# Altium PCB ESP_12F_CLOCK_MAXTRIX.PcbDoc
Units mm, origin at the board's own origin, x right, y up, seen from the top; angles counter-clockwise.
Board outline 68 x 43 mm, 2 copper layers (Top Layer, Bottom Layer); 16 components, 21 nets, 90 pads, 0 vias.
Unrouted connection lines stored in the file: 42.
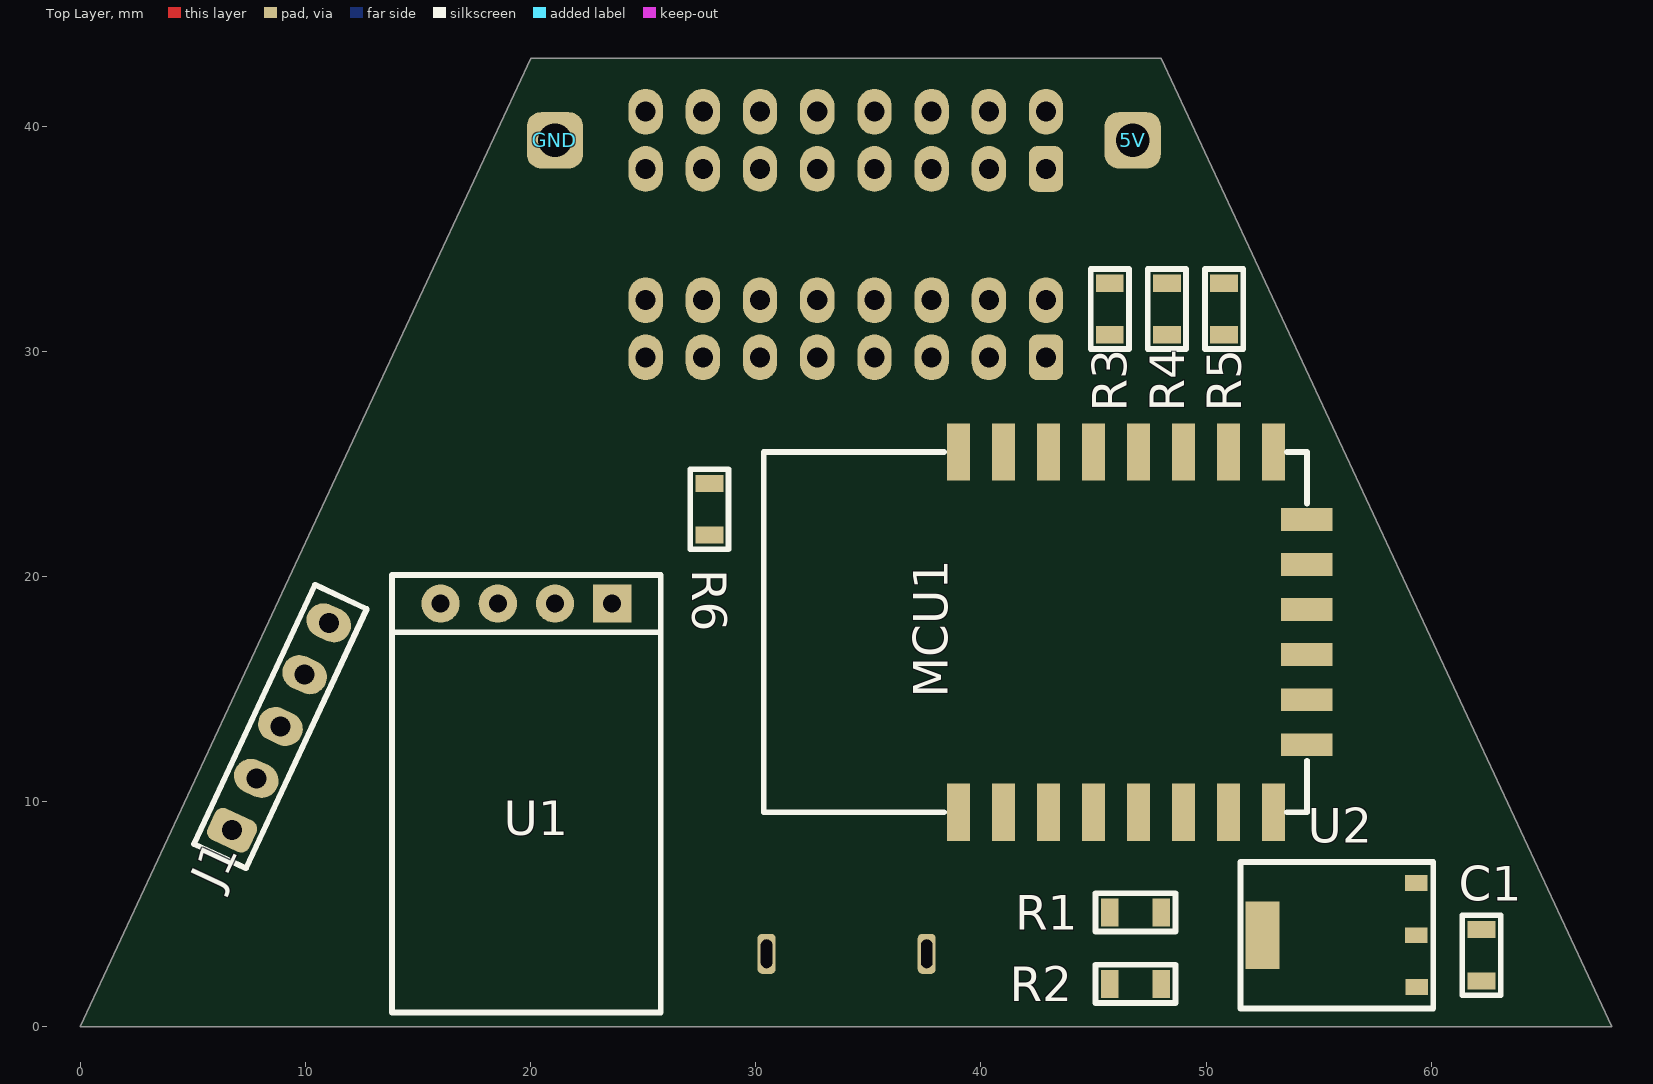
[diagram p0: Top Layer view]
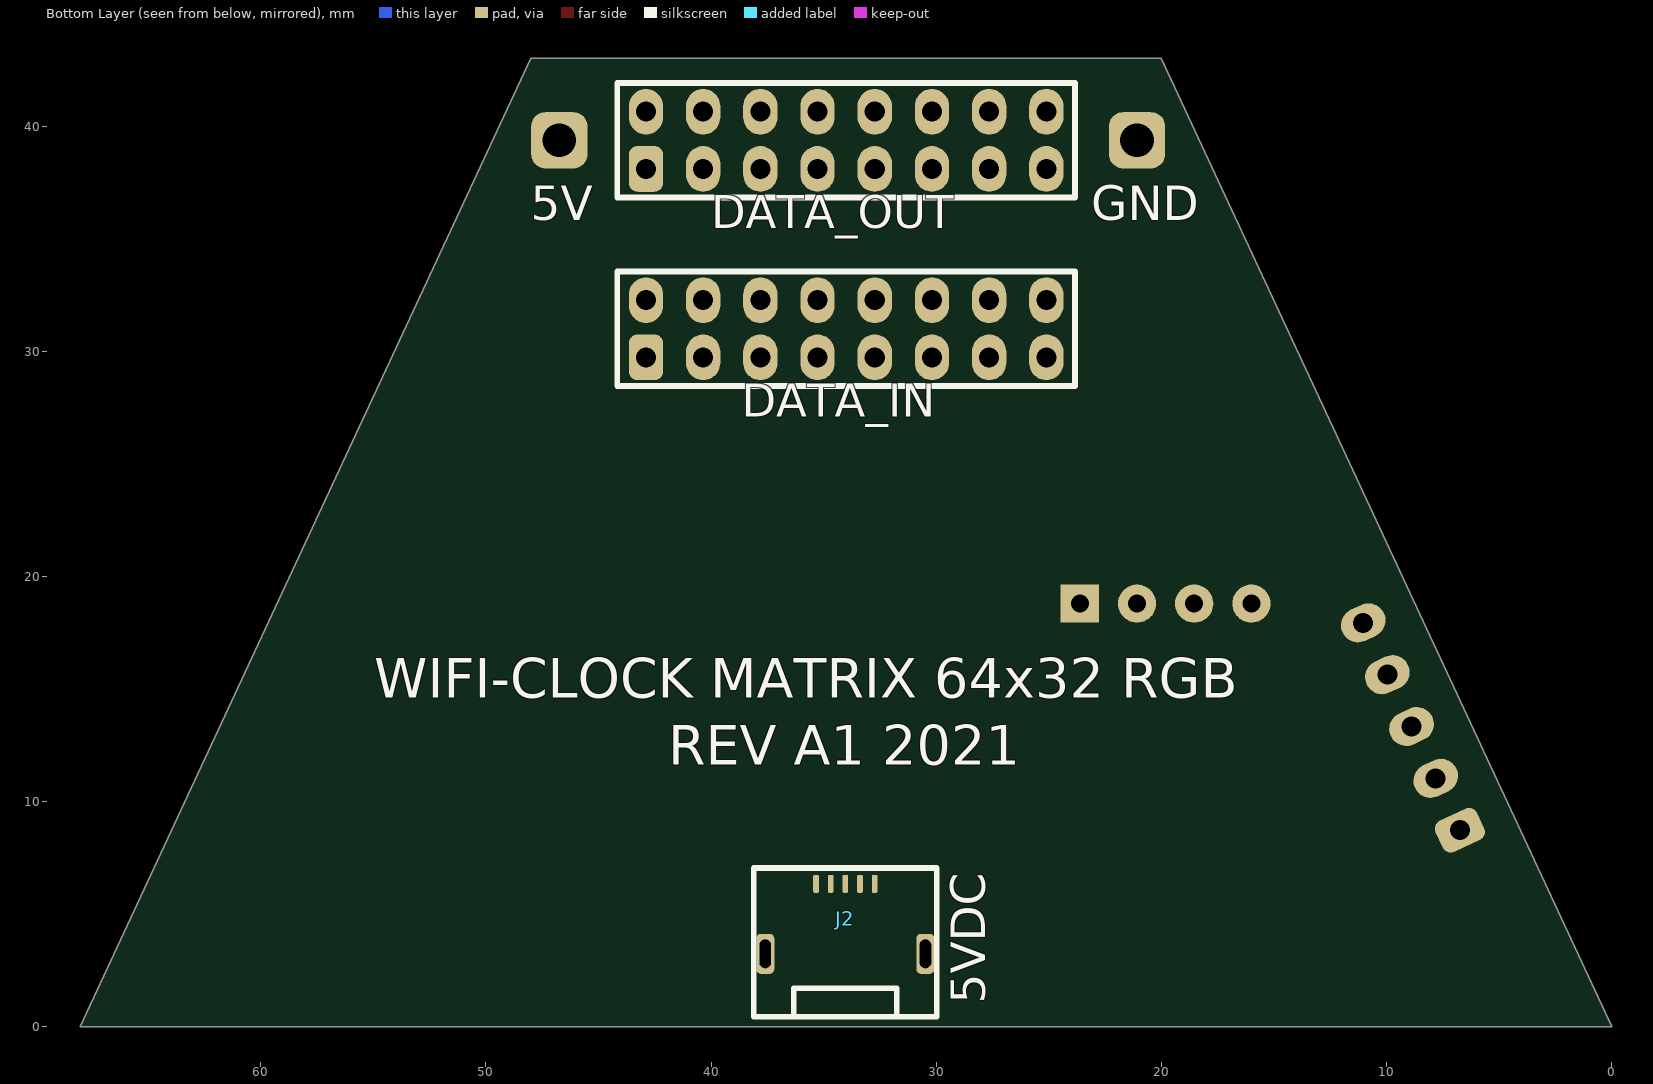
[diagram p1: Bottom Layer view, seen from below]

## Layer stack, top to bottom
Top Solder: solder mask 0.0102, Solder Resist, Dk 3.5
Top Layer: signal copper 0.0356
Dielectric 1: dielectric 0.32, FR-4, Dk 4.8
Bottom Layer: signal copper 0.0356
Bottom Solder: solder mask 0.0102, Solder Resist, Dk 3.5

## Board outline
0.006,0.006 20.006,43.006 48.006,43.006 68.006,0.006

## Design rules (kind name [scope] priority, off if disabled: settings)
Clearance [All] p1: gap=0.254 ignorepadtopadclearanceinfootprint=FALSE except(0: Arc-Hole Track-Hole SMDPad-Hole THPad-Hole Via-Hole Fill-Hole Poly-Hole Region-Hole Text-Hole)
PolygonConnect [All] p1: connectstyle=Relief reliefconductorwidth=0.254 reliefentries=4 polygonreliefangle="90 Angle" airgapwidth=0.254
RoutingVias [All] p1: holewidth=0.711 width=1.27 viastyle="Through Hole" minholewidth=0.711 minwidth=1.27 maxholewidth=0.711 maxwidth=1.27
SolderMaskExpansion [All] p1: expansion=0.102 istentingtop=FALSE
Width [All] p1: maxlimit=0.254 minlimit=0.254 preferedwidth=0.254
30 further rules are at their usual default settings.

## Components (designator, comment, footprint, x,y, rotation, side; value= is the part's Value field where it differs from the comment)
5V "SolderPoint" SolderPoint 46.736,39.37 r90 top
C1 "103" C0805 62.23,3.175 r90 top
DATA_IN "DATA_IN" "Header 8x2 TH Pitch 2.54mm" 34,31 r90 bottom
DATA_OUT "DATA_OUT" "Header 8x2 TH Pitch 2.54mm" 34,39.37 r90 bottom
GND "SolderPoint" SolderPoint 21.082,39.37 r0 top
J1 "PRGM" "Header 5x1 TH Pitch 2.54mm" 8.89,13.335 r155 top
J2 "5VDC" "Micro USB 01" 34.036,3.115 r180 bottom
MCU1 "Wifi SoC ESP8266" ESP-12F 46.736,17.526 r90 top
R1 "1K" R0805 46.863,5.08 r180 top
R2 "10k" R0805 46.863,1.905 r180 top
R3 "1K" R0805 45.72,31.877 r90 top
R4 "1K" R0805 48.26,31.877 r90 top
R5 "1K" R0805 50.8,31.877 r90 top
R6 "1K" R0805 27.94,22.987 r270 top
U1 "DHT-11" DHT-11 19.812,18.796 r180 top
U2 "AMS1117" SOT223-3 55.88,4.064 r90 top

## Footprints (in the part's own frame and the unit in brackets; to place one, negate y for a bottom-side part, rotate by r counter-clockwise, add the part's x,y. Pads: shape width x height; smd on the part's side, far side on the other; paste and mask are expansions set on the pad)
C0805 [mil]
  rect 30x48.82 smd: 1(-45,0) 2(45,0)
  silkscreen extent -70,-33 70,33, body extent -39,-24 39,24, height 39
DHT-11 [mm]
  rect 1.7x1.7 hole 0.8: 1(-3.81,0)
  round 1.7 hole 0.8: 2(-1.27,0) 3(1.27,0) 4(3.81,0)
  silkscreen extent -5.97,-1.27 5.97,18.16, body extent -6,-0.35 6,18.15, height 5.5
ESP-12F [mil]
  rect 100x40 smd: 1(-314.96,304.65) 2(-314.96,225.91) 3(-314.96,147.17) 4(-314.96,68.43) 5(-314.96,-10.31) 6(-314.96,-89.06) 7(-314.96,-167.8) 8(-314.96,-246.54) 15(314.96,-246.54) 16(314.96,-167.8) 17(314.96,-89.06) 18(314.96,-10.31) 19(314.96,68.43) 20(314.96,147.17) 21(314.96,225.91) 22(314.96,304.65)
  rect 40x90 smd: 9(-196.85,-304.65) 10(-118.11,-304.65) 11(-39.37,-304.65) 12(39.37,-304.65) 13(118.11,-304.65) 14(196.85,-304.65)
  silkscreen extent -315,-305 315,645, body extent -315,-305 315,640, height 114
"Header 5x1 TH Pitch 2.54mm" [mil]
  rrect50% 80x60 hole 35: 1(0,200)
  oval 80x60 hole 35: 2(0,100) 3(0,0) 4(0,-100) 5(0,-200)
  silkscreen extent -50,-250 50,250, body extent -50,-250 50,250, height 350
"Header 8x2 TH Pitch 2.54mm" [mil]
  rrect50% 80x60 hole 35: 1(-50,350)
  oval 80x60 hole 35: 2(50,350) 3(-50,250) 4(50,250) 5(-50,150) 6(50,150) 7(-50,50) 8(50,50) 9(-50,-50) 10(50,-50) 11(-50,-150) 12(50,-150) 13(-50,-250) 14(50,-250) 15(-50,-350) 16(50,-350)
  silkscreen extent -100,-400 100,400, body extent -100,-400 100,400, height 350
"Micro USB 01" [mm]
  rrect50% 0.25x0.8 smd: 1(-1.3,3.235) 2(-0.65,3.235) 3(0,3.235) 4(0.65,3.235) 5(1.3,3.235)
  rrect50% 0.8x1.779 hole 0.508 slot 1.27 at 90 deg: 6(-3.556,0.127) 7(3.556,0.127)
  silkscreen extent -4.06,-2.67 4.06,3.94, body extent -4,-2.68 4,3.37, height 2.68
R0805 [mil]
  rect 30x48.82 smd: 1(-45,0) 2(45,0)
  silkscreen extent -70,-33 70,33, body extent -39,-25 40,25, height 18
SolderPoint [mm]
  rrect50% 2.5x2.5 hole 1.5: 1(0,0)
SOT223-3 [mm]
  rect 0.7x1 smd: 1(-2.3,-3.475) 2(0,-3.45) 3(2.325,-3.45)
  rect 3x1.5 smd: 4(0,3.375)
  silkscreen extent -3.25,-4.2 3.25,4.35, body extent -3.25,-3.5 3.25,3.5, height 1.7

## Part data
C1: library part C0805
DATA_IN DATA_OUT: library part "Header 8x2 TH Pitch 2.54mm"
J1: library part "Header 5x1 TH Pitch 2.54mm"
J2: library part "Micro USB (AB 2.0)"
MCU1: library part ESP-12F
R1 R2 R3 R4 R5 R6: library part "Resistor SMD"
U2: library part AMS1117(SOT-223)

## Nets (pads, with @x,y where several pads share a name; then routed paths per layer and width w, separated by ;. In a path a pad name is that pad's centre, name@x,y a point inside that pad or via, vN(x,y) a via of type N, cw(c..) or ccw(c..) an arc to the next point about the centre after c; other vN are vias at no path point)
3.3V: MCU1.8 R1.1 R2.2 R3.2 R4.2 R5.2 R6.1 U1.1 U2.2
GND: C1.1 DATA_IN.16 GND.1 J1.1 J2.5 MCU1.15 U1.4 U2.1
Net5V_1: 5V.1 C1.2 J2.1 U2.3
NetDATA_IN_1: DATA_IN.1 MCU1.7
NetDATA_IN_2: DATA_IN.2 DATA_OUT.5
NetDATA_IN_3: DATA_IN.3 DATA_OUT.6
NetDATA_IN_5: DATA_IN.5 DATA_OUT.1
NetDATA_IN_6: DATA_IN.6 DATA_OUT.2
NetDATA_IN_7: DATA_IN.7 DATA_OUT.3
NetDATA_IN_9: DATA_IN.9 MCU1.20
NetDATA_IN_10: DATA_IN.10 MCU1.19
NetDATA_IN_11: DATA_IN.11 MCU1.16 R5.1
NetDATA_IN_12: DATA_IN.12 MCU1.6
NetDATA_IN_13: DATA_IN.13 MCU1.5
NetDATA_IN_14: DATA_IN.14 MCU1.4
NetDATA_IN_15: DATA_IN.15 MCU1.17 R4.1
NetJ1_2: J1.2 MCU1.21
NetJ1_3: J1.3 MCU1.22
NetJ1_4: J1.4 MCU1.18 R2.1 R3.1 U1.2
NetJ1_5: J1.5 MCU1.1 R6.2
NetMCU1_3: MCU1.3 R1.2
pads on no net: DATA_IN.4 DATA_IN.8 DATA_OUT.4 DATA_OUT.7 DATA_OUT.8 DATA_OUT.9 DATA_OUT.10 DATA_OUT.11 DATA_OUT.12 DATA_OUT.13 DATA_OUT.14 DATA_OUT.15 DATA_OUT.16 J2.2 J2.3 J2.4 J2.6 J2.7 MCU1.2 MCU1.9 MCU1.10 MCU1.11 MCU1.12 MCU1.13 MCU1.14 U1.3 U2.4

## Silkscreen, mask and mechanical layers (free items; w line width, h text height)
Bottom Overlay:
  text "WIFI-CLOCK MATRIX 64x32 RGB" at 54.963,14.039 h3
  text "REV A1 2021" at 41.891,11.052 h3
Mechanical 1:
  lines w0.013: 20,43 0,0 68,0 ; 20.006,43.006 34.006,43.006 48.006,43.006 68.006,0.006